# KiCad board Lab2_starter.kicad_pcb
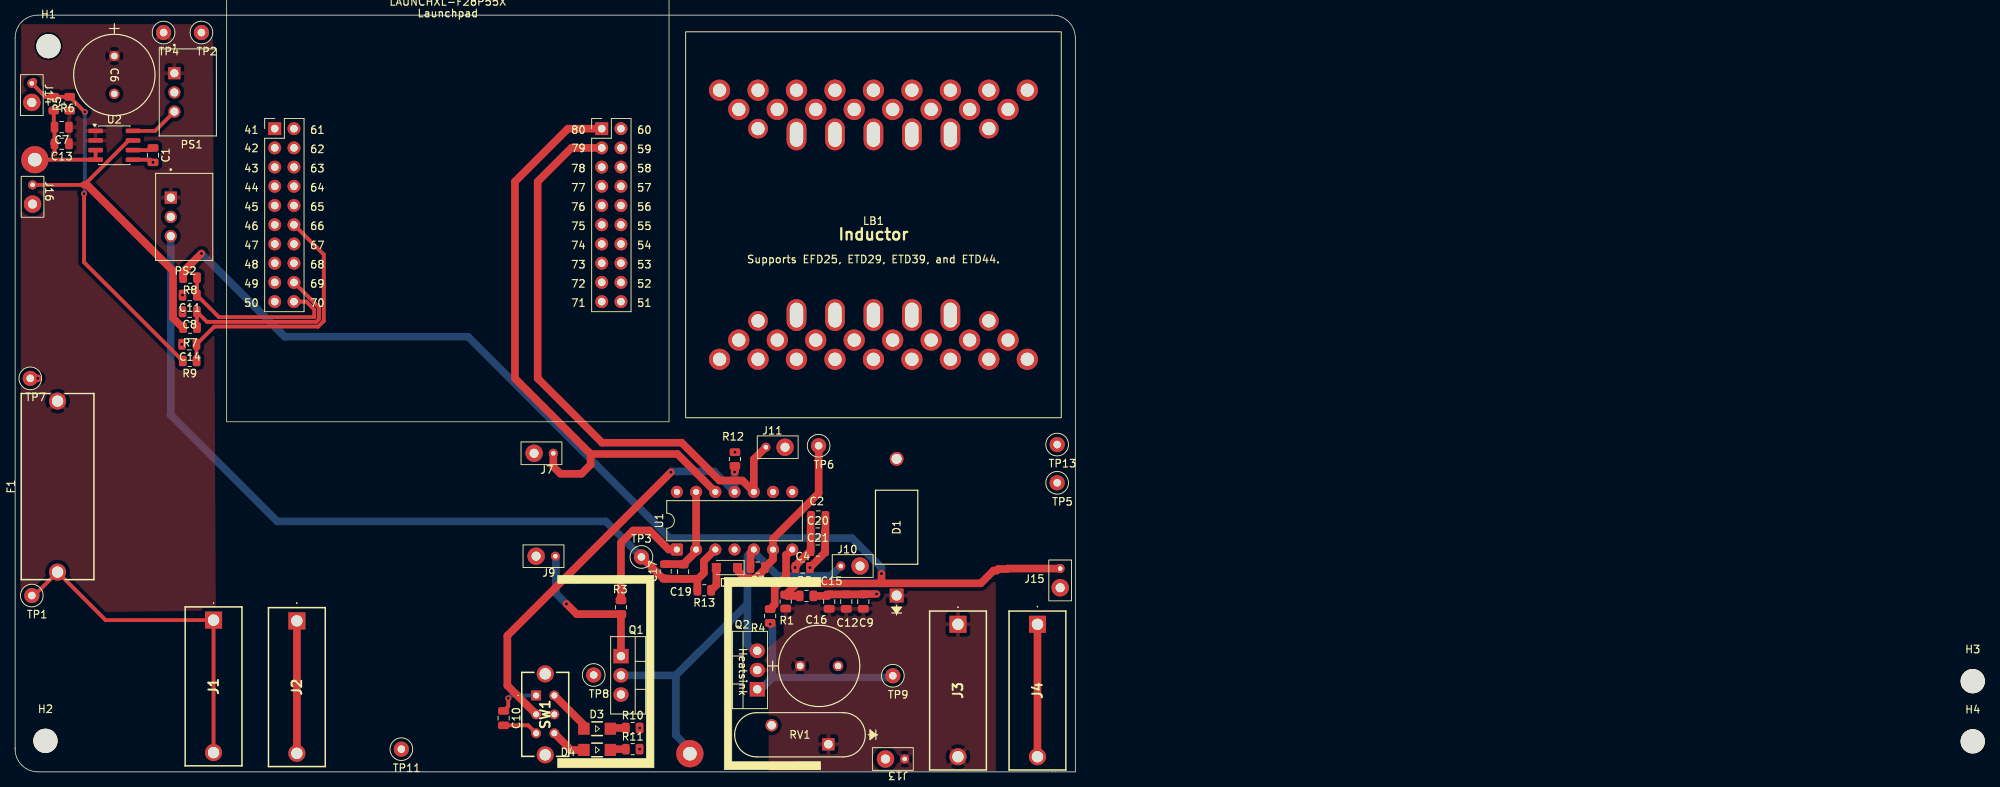
[diagram p0: board, top side]
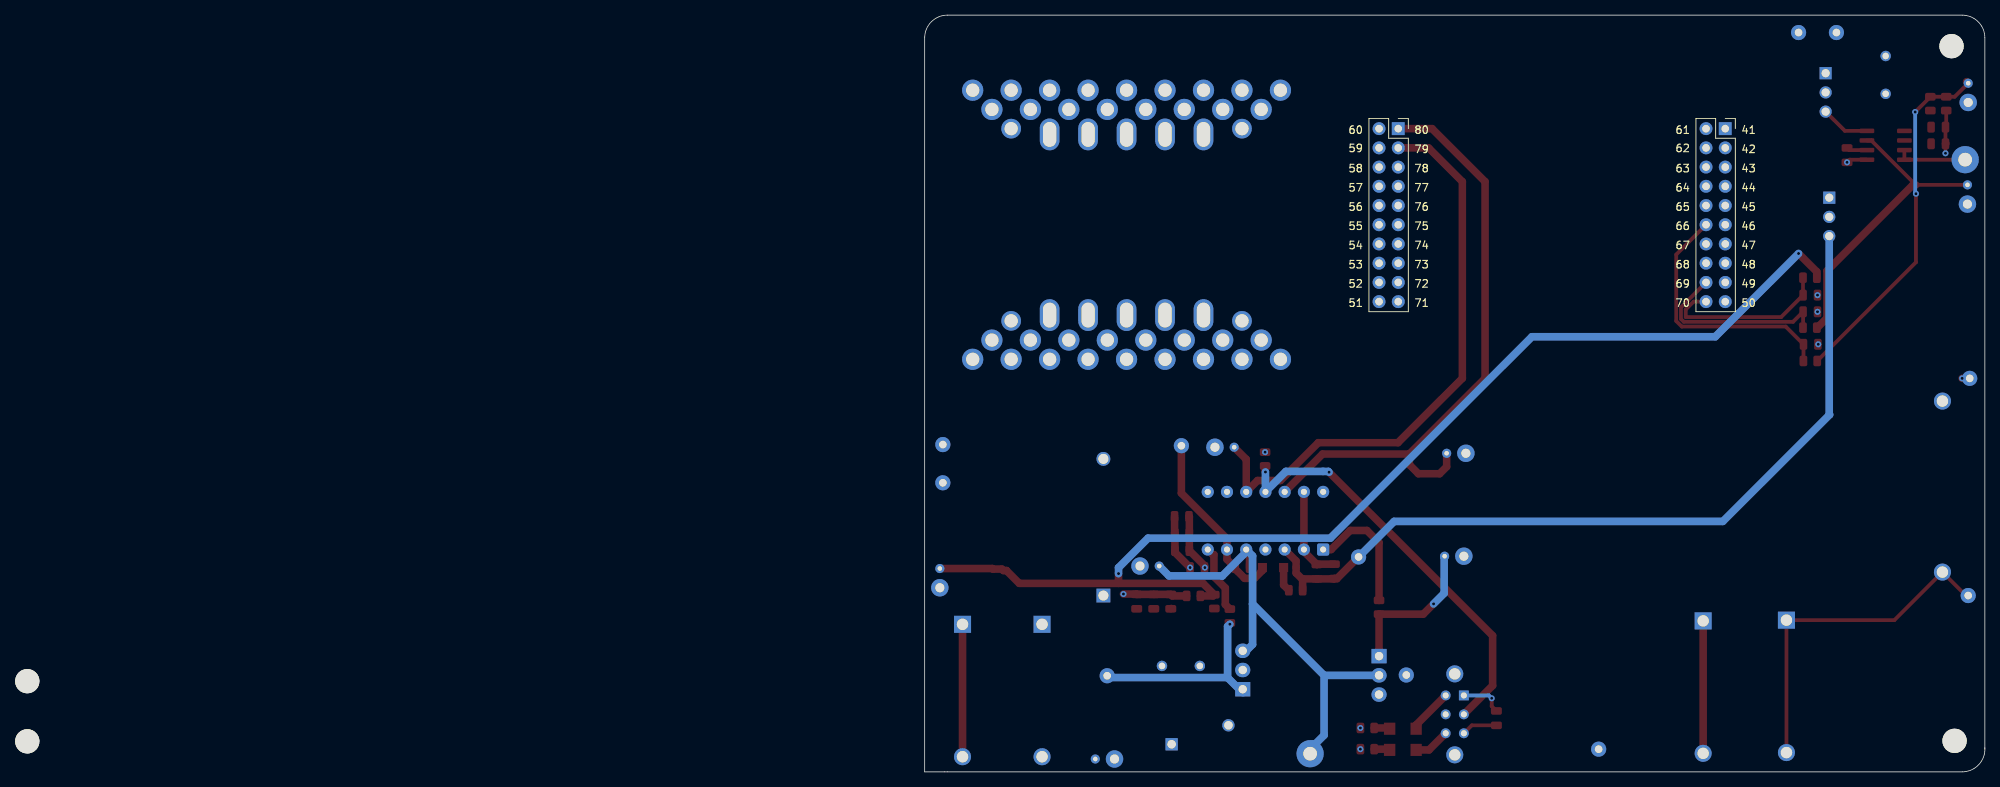
[diagram p1: board, bottom side, seen from below]

Outline 140 x 100 mm; copper layers: Top, In1.Cu, In2.Cu, Bottom. Coordinates in mm from the lower left corner of the outline.
Outline path: 0,3 0,97 arc(0.88,99.12) 3,100 137,100 arc(139.12,99.12) 140,97 140,0 3,0 arc(0.81,0.94) 0,3.18
Stack: Top 0.035mm / dielectric 0.1mm FR4 er 4.5 / In1.Cu 0.035mm / dielectric 1.24mm FR4 er 4.5 / In2.Cu 0.035mm / dielectric 0.1mm FR4 er 4.5 / Bottom 0.035mm

## Placement (name value [footprint] x y rotation side)
C1  100pF  [C_0805_2012Metric]  18.2 81.5 270 top
C2  0.1μF  [C_0805_2012Metric]  106.05 33.75 0 top
C3  4.7μF  [C_0805_2012Metric]  98.05 27 180 top
C4  0.1μF  [C_0805_2012Metric]  104 27 0 top
C6  100uF  [16PX2200MEFC10X20]  13.1 94.6 270 top
C7  10uF  [C_0805_2012Metric]  6.15 85.2 180 top
C8  100pF  [C_0805_2012Metric]  23.05 60.8 180 top
C9  0.01μF  [C_0805_2012Metric]  112 22.5 90 top
C10  10uF  [C_0805_2012Metric]  64.5 7.1 270 top
C11  100pF  [C_0805_2012Metric]  23.05 63 180 top
C12  0.1μF  [C_0805_2012Metric]  109.75 22.5 90 top
C13  10uF  [C_0805_2012Metric]  6.15 83 180 top
C14  100pF  [C_0805_2012Metric]  23 56.5 180 top
C15  1μF  [C_0805_2012Metric]  107.5 22.5 90 top
C16  100uF  [16PX2200MEFC10X20]  103.67 14 0 top
C17  10uF  [C_0805_2012Metric]  85.9 26.5 90 top
C19  1μF  [C_0805_2012Metric]  88.2 26.45 90 top
C20  0.1μF  [C_0805_2012Metric]  106 31.5 0 top
C21  1μF  [C_0805_2012Metric]  106 29.25 0 top
D1  D_Zener  [1.5KE75A]  116.4 23.3 90 top
D2  PMEG10020ELR  [Nexperia_CFP3_SOD-123W]  94 27 180 top
D3  RED LED  [WL-SMRW_1206_REC]  76.85 5.7 180 top
D4  GREEN LED  [WL-SMRW_1206_REC]  76.85 2.9 180 top
F1  Fuse  [696108003002]  5.6 37.7 90 top
H1  MountingHole  [MountingHole_3.2mm_M3]  4.4 95.9 0 top
H2  MountingHole  [MountingHole_3.2mm_M3]  4 4.1 0 top
H3  MountingHole  [MountingHole_3.2mm_M3]  258.5 11.99 0 top
H4  MountingHole  [MountingHole_3.2mm_M3]  258.5 4.03 0 top
HS1  Heatsink  [HSS-B20-NPS-01]  100 13 270 top
HS2  Heatsink  [HSS-B20-NPS-01]  78 13.26 90 top
J1  -  [973582101]  26.2 20.05 270 top
J2  -  [973582100]  37.2 19.95 270 top
J3  -  [973582101]  124.5 19.5 270 top
J4  -  [973582100]  135 19.5 270 top
J5  Conn_01x01  [Inductor_wire_conn]  89.1 2.4 0 top
J6  Conn_01x01  [Inductor_wire_conn]  2.6 80.9 0 top
J7  Conn_01x02  [TP]  69.8 42.1 180 top
J9  Conn_01x02  [TP]  70.07 28.5 180 top
J10  Conn_01x02  [TP]  110.3 27.2 0 top
J11  Conn_01x02  [TP]  100.4 42.9 0 top
J13  Conn_01x02  [TP]  116.2 1.7 180 top
J14  Conn_01x02  [TP]  2.2 89.73 270 top
J15  Conn_01x02  [TP]  138 25.6 270 top
J16  Conn_01x02  [TP]  2.3 76.3 270 top
LB1  ~  [InductorBobbin]  113.34 72.3 0 top
PS1  -  [R-78K3.3-1.0]  22.8 89.79 270 top
PS2  -  [R-78K12-0.5]  22.33 73.34 270 top
Q1  NMOS  [TO-220-3_Vertical]  80 15.3 270 top
Q2  NMOS  [TO-220-3_Vertical]  98 10.92 90 top
R1  82.5k  [R_0805_2012Metric]  101.75 22.5 90 top
R2  3.3k  [R_0805_2012Metric]  104.5 23.25 0 top
R3  1  [R_0805_2012Metric]  80 21.76 90 top
R4  1  [R_0805_2012Metric]  99.7 20.6 90 top
R5  30.1k  [R_0805_2012Metric]  7.2 88.3 90 top
R6  3.3k  [R_0805_2012Metric]  5.1 88.3 270 top
R7  3.3k  [R_0805_2012Metric]  23.1 58.7 180 top
R8  3.3k  [R_0805_2012Metric]  23.1 65.3 180 top
R9  3.3k  [R_0805_2012Metric]  23.05 54.3 180 top
R10  3.3k  [R_0805_2012Metric]  81.55 5.8 0 top
R11  3.3k  [R_0805_2012Metric]  81.55 3 0 top
R12  3.3k  [R_0805_2012Metric]  95.05 41.34 90 top
R13  6  [R_0805_2012Metric]  91 24 180 top
RV1  Varistor  [V100ZA15P]  107.39 3.65 180 top
SW1  SW_Push_DPDT  [SLW1116297AD]  68.8 10.1 270 top
TP1  TestPoint  [TestPoint_Loop_D1.80mm_Drill1.0mm_Beaded]  2.2 23.3 0 top
TP2  TestPoint  [TestPoint_Loop_D1.80mm_Drill1.0mm_Beaded]  24.6 97.7 0 top
TP3  TestPoint  [TestPoint_Loop_D1.80mm_Drill1.0mm_Beaded]  82.7 28.4 0 top
TP4  TestPoint  [TestPoint_Loop_D1.80mm_Drill1.0mm_Beaded]  19.6 97.7 0 top
TP5  TestPoint  [TestPoint_Loop_D1.80mm_Drill1.0mm_Beaded]  137.6 38.2 0 top
TP6  TestPoint  [TestPoint_Loop_D1.80mm_Drill1.0mm_Beaded]  106.1 43.1 0 top
TP7  TestPoint  [TestPoint_Loop_D1.80mm_Drill1.0mm_Beaded]  2 52 0 top
TP8  TestPoint  [TestPoint_Loop_D1.80mm_Drill1.0mm_Beaded]  76.4 12.8 0 top
TP9  TestPoint  [TestPoint_Loop_D1.80mm_Drill1.0mm_Beaded]  115.9 12.7 0 top
TP11  TestPoint  [TestPoint_Loop_D1.80mm_Drill1.0mm_Beaded]  51 3 0 top
TP13  TestPoint  [TestPoint_Loop_D1.80mm_Drill1.0mm_Beaded]  137.6 43.25 0 top
U1  IR2010  [DIP-14_W7.62mm]  87.38 29.38 90 top
U2  CT416-HSN820DR  [SOIC-8_3.9x4.9mm_P1.27mm]  13.1 82.8 0 top
U3  -  [LAUNCHXL-F28P55X_BottomHalf]  57.14 105.32 0 top

## Library data of the parts
C1 C2 C7 C8 C10 C11 C13 C14 C17 = -: Description: Unpolarized capacitor, small symbol; ki_fp_filters: C_*
C3 = -: Description: Cboot; ki_fp_filters: C_*
C4 = -: Description: Cbypass; ki_fp_filters: C_*
C6 C16 = -: Description: Polarized capacitor, US symbol; ki_fp_filters: CP_*
C9 C12 C15 C19-C21 = -: ki_fp_filters: C_*
D1 = -: ki_fp_filters: TO-???* *_Diode_* *SingleDiode* D_*
D2 = -: Datasheet: kicad-embed://PMEG10020ELR.pdf; Description: boostrap diode; ki_fp_filters: Nexperia*CFP3*SOD?123W*
D3 = -: Description: SHUTDOWN; ki_fp_filters: LED* LED_SMD:* LED_THT:*
D4 = -: Description: SWITCHING; ki_fp_filters: LED* LED_SMD:* LED_THT:*
F1 = -: ki_fp_filters: *Fuse*
H1-H4 = -: Description: Mounting Hole without connection; ki_fp_filters: MountingHole*
HS1 HS2 = -: Datasheet: kicad-embed://hss-b20-npx-01.pdf; ki_fp_filters: Heatsink_*
J1 J3 = -: Description: Generic connector, single row, 01x01, script generated (kicad-library-utils/schlib/autogen/connector/); Color: RED; ki_fp_filters: Connector*:*_1x??_*
J2 J4 = -: Description: Generic connector, single row, 01x01, script generated (kicad-library-utils/schlib/autogen/connector/); Color: BLACK; ki_fp_filters: Connector*:*_1x??_*
J5 J6 = -: Description: Generic connector, single row, 01x01, script generated (kicad-library-utils/schlib/autogen/connector/); ki_fp_filters: Connector*:*_1x??_*
J7 J9-J11 J13-J16 = -: Description: Generic connector, single row, 01x02, script generated (kicad-library-utils/schlib/autogen/connector/); ki_fp_filters: Connector*:*_1x??_*
PS1 = -: Datasheet: kicad-embed://R-78K-1.0.pdf; PARTREV: 6; STANDARD: Manufacturer Recommendations; MAXIMUM_PACKAGE_HEIGHT: 10.40mm; MANUFACTURER: RECOM
PS2 = -: Datasheet: kicad-embed://R-78K-0.5.pdf; ki_fp_filters: R-78E-0.5_RCP
Q1 Q2 = -: Description: N-MOSFET transistor, gate/drain/source; Sim.Type: VDMOS; Sim.Pins: 1=D 2=G 3=S
R1 R2 R5 R6 R10 R11 = -: ki_fp_filters: R_*
R3 R4 = -: Description: gate resistor; ki_fp_filters: R_*
R7-R9 R12 R13 = -: Description: Resistor, small symbol; ki_fp_filters: R_*
RV1 = -: Sim.Name: kicad_builtin_varistor; Sim.Device: SUBCKT; Sim.Pins: 1=A 2=B; Sim.Params: threshold=1k; ki_fp_filters: RV_* Varistor*
TP1-TP9 TP11 TP13 = -: ki_fp_filters: Pin* Test*
U1 = -: Datasheet: kicad-embed://infineon-ir2010-ds-en.pdf; Description: High and Low Side Driver, 200V, 3.0/3.0A, PDIP-14; ki_fp_filters: DIP*W7.62mm*
U2 = -: Datasheet: kicad-embed://CT416-Datasheet.pdf

## Footprints (pads in the part's own frame, mm; a bottom-side part is the same pattern mirrored in y, then rotated)
1.5KE75A
  rect 1.829x1.829 hole 1.321: 1(0,0)
  round 1.829 hole 1.321: 2(18.059,0)
16PX2200MEFC10X20
  round 1.372 hole 0.864: 1(0,0) 2(5,0)
973582100
  rect 2.25x2.25 hole 1.5: 1(0,0)
  round 2.25 hole 1.5: 1(17.5,0)
973582101
  rect 2.25x2.25 hole 1.5: 1(0,0)
  round 2.25 hole 1.5: 1(17.5,0)
696108003002
  round 2.25 hole 1.5: 1(-11.3,0) 2(11.3,0)
C_0805_2012Metric
  rrect 1x1.45 smd: 1(-0.95,0) 2(0.95,0)
DIP-14_W7.62mm
  rrect 1.6x1.6 hole 0.8: 1(0,0)
  round 1.6 hole 0.8: 2(0,-2.54) 3(0,-5.08) 4(0,-7.62) 5(0,-10.16) 6(0,-12.7) 7(0,-15.24) 8(7.62,-15.24) 9(7.62,-12.7) 10(7.62,-10.16) 11(7.62,-7.62) 12(7.62,-5.08) 13(7.62,-2.54) 14(7.62,0)
Inductor_wire_conn
  round 3.6 hole 1.8: 1(0,0)
InductorBobbin
  round 2.8 hole 1.75: (-20.32,17.78) (-20.32,-17.78) (-17.78,15.24) (-17.78,-15.24) (-15.24,17.78) (-15.24,-17.78) (-12.7,15.24) (-12.7,-15.24) (-10.16,17.78) (-10.16,-17.78) (-7.62,15.24) (-7.62,-15.24) (-5.08,17.78) (-5.08,-17.78) (-2.54,15.24) (-2.54,-15.24) (0,17.78) (0,-17.78) (2.54,15.24) (2.54,-15.24) (5.08,17.78) (5.08,-17.78) (7.62,15.24) (7.62,-15.24) (10.16,17.78) (10.16,-17.78) (12.7,15.24) (12.7,-15.24) (15.24,17.78) (15.24,-17.78) (17.78,15.24) (17.78,-15.24) (20.32,17.78) (20.32,-17.78)
  round 2.6 hole 1.75: (-15.24,12.7) (-15.24,-12.7) (15.24,12.7) (15.24,-12.7)
  oval 2.6x4.2 hole 1.75x3.28: (-10.16,11.938) (-10.16,-11.938) (-5.08,11.938) (-5.08,-11.938) (0,11.938) (0,-11.938) (5.08,11.938) (5.08,-11.938) (10.16,11.938) (10.16,-11.938)
LAUNCHXL-F28P55X_BottomHalf
  rect 1.7x1.7 hole 1: 41(-22.86,-20.32) 80(20.32,-20.32)
  oval 1.7x1.7 hole 1: 42(-22.86,-22.86) 43(-22.86,-25.4) 44(-22.86,-27.94) 45(-22.86,-30.48) 46(-22.86,-33.02) 47(-22.86,-35.56) 48(-22.86,-38.1) 49(-22.86,-40.64) 50(-22.86,-43.18) 51(22.86,-43.18) 52(22.86,-40.64) 53(22.86,-38.1) 54(22.86,-35.56) 55(22.86,-33.02) 56(22.86,-30.48) 57(22.86,-27.94) 58(22.86,-25.4) 59(22.86,-22.86) 60(22.86,-20.32) 61(-20.32,-20.32) 62(-20.32,-22.86) 63(-20.32,-25.4) 64(-20.32,-27.94) 65(-20.32,-30.48) 66(-20.32,-33.02) 67(-20.32,-35.56) 68(-20.32,-38.1) 69(-20.32,-40.64) 70(-20.32,-43.18) 71(20.32,-43.18) 72(20.32,-40.64) 73(20.32,-38.1) 74(20.32,-35.56) 75(20.32,-33.02) 76(20.32,-30.48) 77(20.32,-27.94) 78(20.32,-25.4) 79(20.32,-22.86)
MountingHole_3.2mm_M3
  round 3.2 hole 3.2 unplated: (0,0)
Nexperia_CFP3_SOD-123W
  rect 1.2x1.2 smd: 1(-1.4,0) 2(1.4,0)
R-78K3.3-1.0
  rect 1.605x1.605 hole 1.07: 1(-2.54,-1.775)
  round 1.605 hole 1.07: 2(0,-1.775) 3(2.54,-1.775)
R-78K12-0.5
  rect 1.605x1.605 hole 1.07: 1(-2.54,-1.775)
  round 1.605 hole 1.07: 2(0,-1.775) 3(2.54,-1.775)
R_0805_2012Metric
  rrect 1.025x1.4 smd: 1(-0.912,0) 2(0.912,0)
SLW1116297AD
  round 2.25 hole 1.5: (-2.85,1.2) (7.85,1.2)
  rect 1.3x1.3 hole 0.8: 1(0,0)
  round 1.3 hole 0.8: 2(2.5,0) 3(5,0) 4(5,2.4) 5(2.5,2.4) 6(0,2.4)
SOIC-8_3.9x4.9mm_P1.27mm
  rrect 1.95x0.6 smd: 1(-2.475,1.905) 2(-2.475,0.635) 3(-2.475,-0.635) 4(-2.475,-1.905) 5(2.475,-1.905) 6(2.475,-0.635) 7(2.475,0.635) 8(2.475,1.905)
TestPoint_Loop_D1.80mm_Drill1.0mm_Beaded
  round 2 hole 1: 1(0,0)
TO-220-3_Vertical
  rect 1.905x2 hole 1.1: 1(0,0)
  oval 1.905x2 hole 1.1: 2(2.54,0) 3(5.08,0)
TP
  round 2.3 hole 1.2: 1(1.27,0)
  round 1.2 hole 0.6: 2(-1.27,0)
V100ZA15P
  rect 1.626x1.626 hole 1.118: 1(0,0)
  round 1.626 hole 1.118: 2(7.5,-2.5)
WL-SMRW_1206_REC
  rect 1.5x1.6 smd: 1(-1.75,0) 2(1.75,0)

## Nets
+3.3V: C2.1 C4.1 C10.1 C20.1 C21.1 PS1.3 R12.2 SW1.1 SW1.5 TP5.1 U1.9 U2.8 U3.41
+12V: C17.1 C19.1 PS2.3 R13.2 TP3.1 U1.3
GND: C1.2 C2.2 C4.2 C6.2 C7.2 C8.2 C9.2 C10.2 C11.2 C12.2 C13.2 C14.2 C15.2 C16.2 C17.2 C19.2 C20.2 C21.2 D1.2 J2.1 J4.1 J7.1 J9.1 J10.1 J11.1 J13.1 J14.1 J15.1 J16.1 PS1.2 PS2.2 Q1.3 R2.2 R6.2 R10.2 R11.2 RV1.2 SW1.3 TP2.1 TP7.1 TP11.1 TP13.1 U1.2 U1.13 U2.5 U3.60 U3.62
Vin: C6.1 C7.1 C13.1 F1.2 PS1.1 PS2.1 R5.1 TP4.1 U2.1 U2.2
Vin_sens: J14.2 R5.2 R6.1 R9.2
Vin_Unfused: F1.1 J1.1 TP1.1
/ADCINA0: C11.1 R8.1 U3.70
/ADCINA4: C14.1 R9.1 U3.66
/ADCINA12: C8.1 R7.1 U3.69
/L_in: J6.1 U2.3 U2.4
C2000 D : J7.2 U1.12 U3.80
C2000 D': J11.2 U1.10 U3.79
D: J9.2 Q1.1 R3.1
D': Q2.1 R4.1 TP9.1
I_L: J16.2 R7.2 U2.7
SD: R12.1 SW1.2 U1.11
Vboot: C3.1 D2.1 TP6.1 U1.6
Vout: C9.1 C12.1 C15.1 C16.1 D1.1 J3.1 J13.2 Q2.2 R1.1 RV1.1
Vout_sens: J15.2 R1.2 R2.1 R8.2
Vsw: C3.2 J5.1 J10.2 Q1.2 Q2.3 TP8.1 U1.5
Net-(D2-A): D2.2 R13.1
Net-(D3-A): D3.2 SW1.6
Net-(D3-K): D3.1 R10.1
Net-(D4-A): D4.2 SW1.4
Net-(D4-K): D4.1 R11.1
Net-(U1-HO): R4.2 U1.7
Net-(U1-LO): R3.2 U1.1
Net-(U2-FILTER): C1.1 U2.6

Pads without a net: U1 4 8 14; U3 42 43 44 45 46 47 48 49 50 51 52 53 54 55 56 57 58 59 61 63 64 65 67 68 71 72 73 74 75 76 77 78

## Via types
v1: diameter 0.8, hole 0.4, Top to Bottom, 21 vias

## Routing (per net, layer and track width the routed paths; a pad name or vN(x,y) marks a point on that pad's centre or on a via; arc(x,y) is an arc through that point)
+3.3V: length 19.9
  Top w0.5: v1(65.12,9.72) 65.12,8.67 C10.1 ; PS1.3 18.48,84.7 U2.8
  Top w1: v1(103,27) C4.1 103.05,27.25 C21.1 C20.1 105.05,33.7 C2.1
  Bottom w0.5: SW1.1 65.5,10.1 v1(65.12,9.72)
  vias: v1(95.05,42.25)
+12V: length 108.6
  Top w1: U1.3 90.95,27.87 90.95,26.28 90.09,25.41 ; TP3.1 85.55,25.55 C17.1 85.95,25.5 C19.1 90,25.5 90.09,25.41 ; 90.09,25.41 R13.2
  Bottom w1: PS2.3 20.55,47.25 20.5,47.2 34.6,33.1 78,33.1 TP3.1
GND: length 78.2
  Top w0.5: R6.2 5.1,85.3 C7.2 C13.2 v1(5.2,81.75) ; SW1.3 67.75,6.15 C10.2 ; v1(18.2,80.55) 17.85,80.9 15.58,80.9 ; C14.2 v1(22,56.5) ; 22.2,60.7 v1(22.1,60.8)
  Top w1: v1(113.75,23.5) 112.05,23.5 C9.2 C12.2 C15.2 107.3,23.25 R2.2 ; TP7.1 v1(3,52) ; 5.15,83.05 C13.2 ; 105,27 v1(104.95,27) 106.95,29 C21.2 C20.2 107,31.55 C2.2 ; J4.1 J4.1 ; J2.1 J2.1 ; C17.2 88.15,27.45 C19.2 89.92,29.12 U1.2 U1.13
  vias: v1(22.1,63) v1(82.46,5.8) v1(82.46,3)
Vin: length 0.2
  Top w1: 12.99,94.71 C6.1
Vin_sens: length 47.2
  Top w0.5: R9.2 9.1,67.34 v1(9.1,76.4) ; v1(9.2,87.2) 7.2,89.2 R5.2 R6.1 3.99,89.21 J14.2
  Top w1: 2.41,91.21 J14.2
  Bottom w0.5: v1(9.2,87.2) 9.2,76.5 v1(9.1,76.4)
Vin_Unfused: length 45.4
  Top w0.5: TP1.1 2.5,23.3 F1.1 11.95,20.05 J1.1 J1.1
/ADCINA0: length 23.1
  Top w0.5: U3.70 38.46,62.14 39.5,61.1 39.5,60.1 26.9,60.1 C11.1 24.01,63.01 R8.1
/ADCINA4: length 34.6
  Top w0.5: R9.1 23.95,54.31 C14.1 26.29,58.84 40.02,58.84 40.76,59.58 40.76,68.36 U3.66
/ADCINA12: length 25.1
  Top w0.5: R7.1 24,58.71 C8.1 25.33,59.47 39.76,59.47 40.13,59.84 40.13,61.37 U3.69
/L_in: length 9.3
  Top w0.5: U2.3 10.62,80.9 2.61,80.9 J6.1
C2000 D : length 82.2
  Top w1: 76,42 75.9,42.1 ; 76,42 66,52 66,78 73,85 U3.80 ; 76,42 76,40.6 74.8,39.4 72,39.4 71.07,40.33 J7.2 ; 76,42 87.46,42 U1.12
C2000 D': length 77.6
  Top w1: U3.79 73.46,82.46 69,78 69,52 77.5,43.5 88.02,43.5 93.02,38.5 96.04,38.5 U1.10 97.54,41.31 J11.2
D: length 20.2
  Top w1: v1(72.8,22.2) 74.16,20.84 R3.1 Q1.1
  Bottom w1: J9.2 71.4,28.44 71.4,23.6 v1(72.8,22.2)
D': length 26.2
  Top w1: R4.1 v1(99.7,19.51)
  Bottom w1: v1(99.7,19.51) 100,19.21 100,12.46 ; 100,12.46 115.66,12.46 TP9.1 ; 100,12.46 98,10.46
I_L: length 40.2
  Top w0.5: 15.58,83.44 14.99,83.44 9.13,77.57 J16.2
  Top w1: 9.13,77.57 9.49,77.57 20.85,66.21 20.85,59.97 22.12,58.7 R7.2
SD: length 55.5
  Top w1: v1(95,39.63) 95.05,39.68 95.05,40.42 ; v1(86.6,39.6) 65,18 65,11.4 SW1.2
  Bottom w1: v1(86.6,39.6) 86.7,39.7 92.3,39.7 U1.11 v1(95,39.63)
Vboot: length 24.1
  Top w1: TP6.1 106.1,36.83 100.08,30.81 U1.6 100.08,28.08 C3.1 99,26.82 97.75,25.57 96.45,25.57 95.4,26.62 D2.1
Vout: length 0.1
  Top w1: C15.1 107.46,21.59
Vout_sens: length 152.9
  Top w1: 114.4,24.92 103.25,24.92 R1.2 101.91,23.25 R2.1 ; 114.4,24.92 v1(114.4,26.2) ; 114.4,24.92 127.52,24.92 129.2,26.6 129.6,26.6 129.8,26.8 131,26.8 131.07,26.87 J15.2 ; R8.2 22.19,66.09 v1(24.6,68.5)
  Bottom w1: v1(24.6,68.5) 35.6,57.5 59.81,57.5 86.43,30.88 110.51,30.88 114.4,26.99 v1(114.4,26.2)
Vsw: length 64
  Top w1: C3.2 97.1,28.94 U1.5
  Bottom w1: 98,15.54 96.7,16.84 96.7,22.2 ; Q1.2 87.26,12.76 ; 87.26,12.76 96.7,22.2 ; 87.26,12.76 87.26,4.84 89.1,3 J5.1 ; 96.7,22.2 96.7,28.54 U1.5 97.54,29.06 100.69,25.91 100.69,25.9 107.73,25.9 J10.2 ; 88.7,3.7 88.7,2.4
Net-(D2-A): length 3.3
  Top w1: D2.2 92.6,24.69 R13.1
Net-(D3-A): length 6
  Top w1: SW1.6 75.1,6.2 D3.2
Net-(D3-K): length 2.1
  Top w1: R10.1 78.7,5.8 D3.1
Net-(D4-A): length 4.8
  Top w1: D4.2 73.4,2.9 SW1.4
Net-(D4-K): length 2.1
  Top w1: R11.1 78.7,3 D4.1
Net-(U1-HO): length 9.2
  Top w1: R4.2 100.3,22.11 100.3,24.3 101.8,25.8 101.8,28.7 101.94,28.7 U1.7
Net-(U1-LO): length 16.7
  Top w1: R3.2 80,30.3 81.6,31.9 83.8,31.9 86.32,29.38 U1.1
Net-(U2-FILTER): length 2.7
  Top w0.5: C1.1 17.91,82.16 U2.6

## Copper pours and planes (outline as drawn; the poured copper is in the pictures)
+3.3V on In1.Cu: 1.5,99 139,99 138.5,1 1,0.5
GND on In2.Cu: 1,99 0,2.5 139,-1 140,96
Vin on Top: 26.1,98.8 26.5,21.3 0.7,21 0.8,98.8
Vout on Top: 101.45,25.09 129.5,25.09 129.5,0.09 99.5,0.09 99.5,12.09 96.5,12.09 96.5,14.09 101.5,18.09

## Text on the board
User.2: PCB MAX SIZE REFERENCE (actual board edge is grey: Edge.Cuts)
